# Altium PCB PCB2.PcbDoc (part 1 of 3)
Units mm, origin at the board's own origin, x right, y up, seen from the top; angles counter-clockwise.
Board outline 130.78 x 147.07 mm, 2 copper layers (Top Layer, Bottom Layer), stack 1.571 mm thick; 184 components, 114 nets, 619 pads, 1163 vias.
Unrouted connection lines stored in the file: 1.
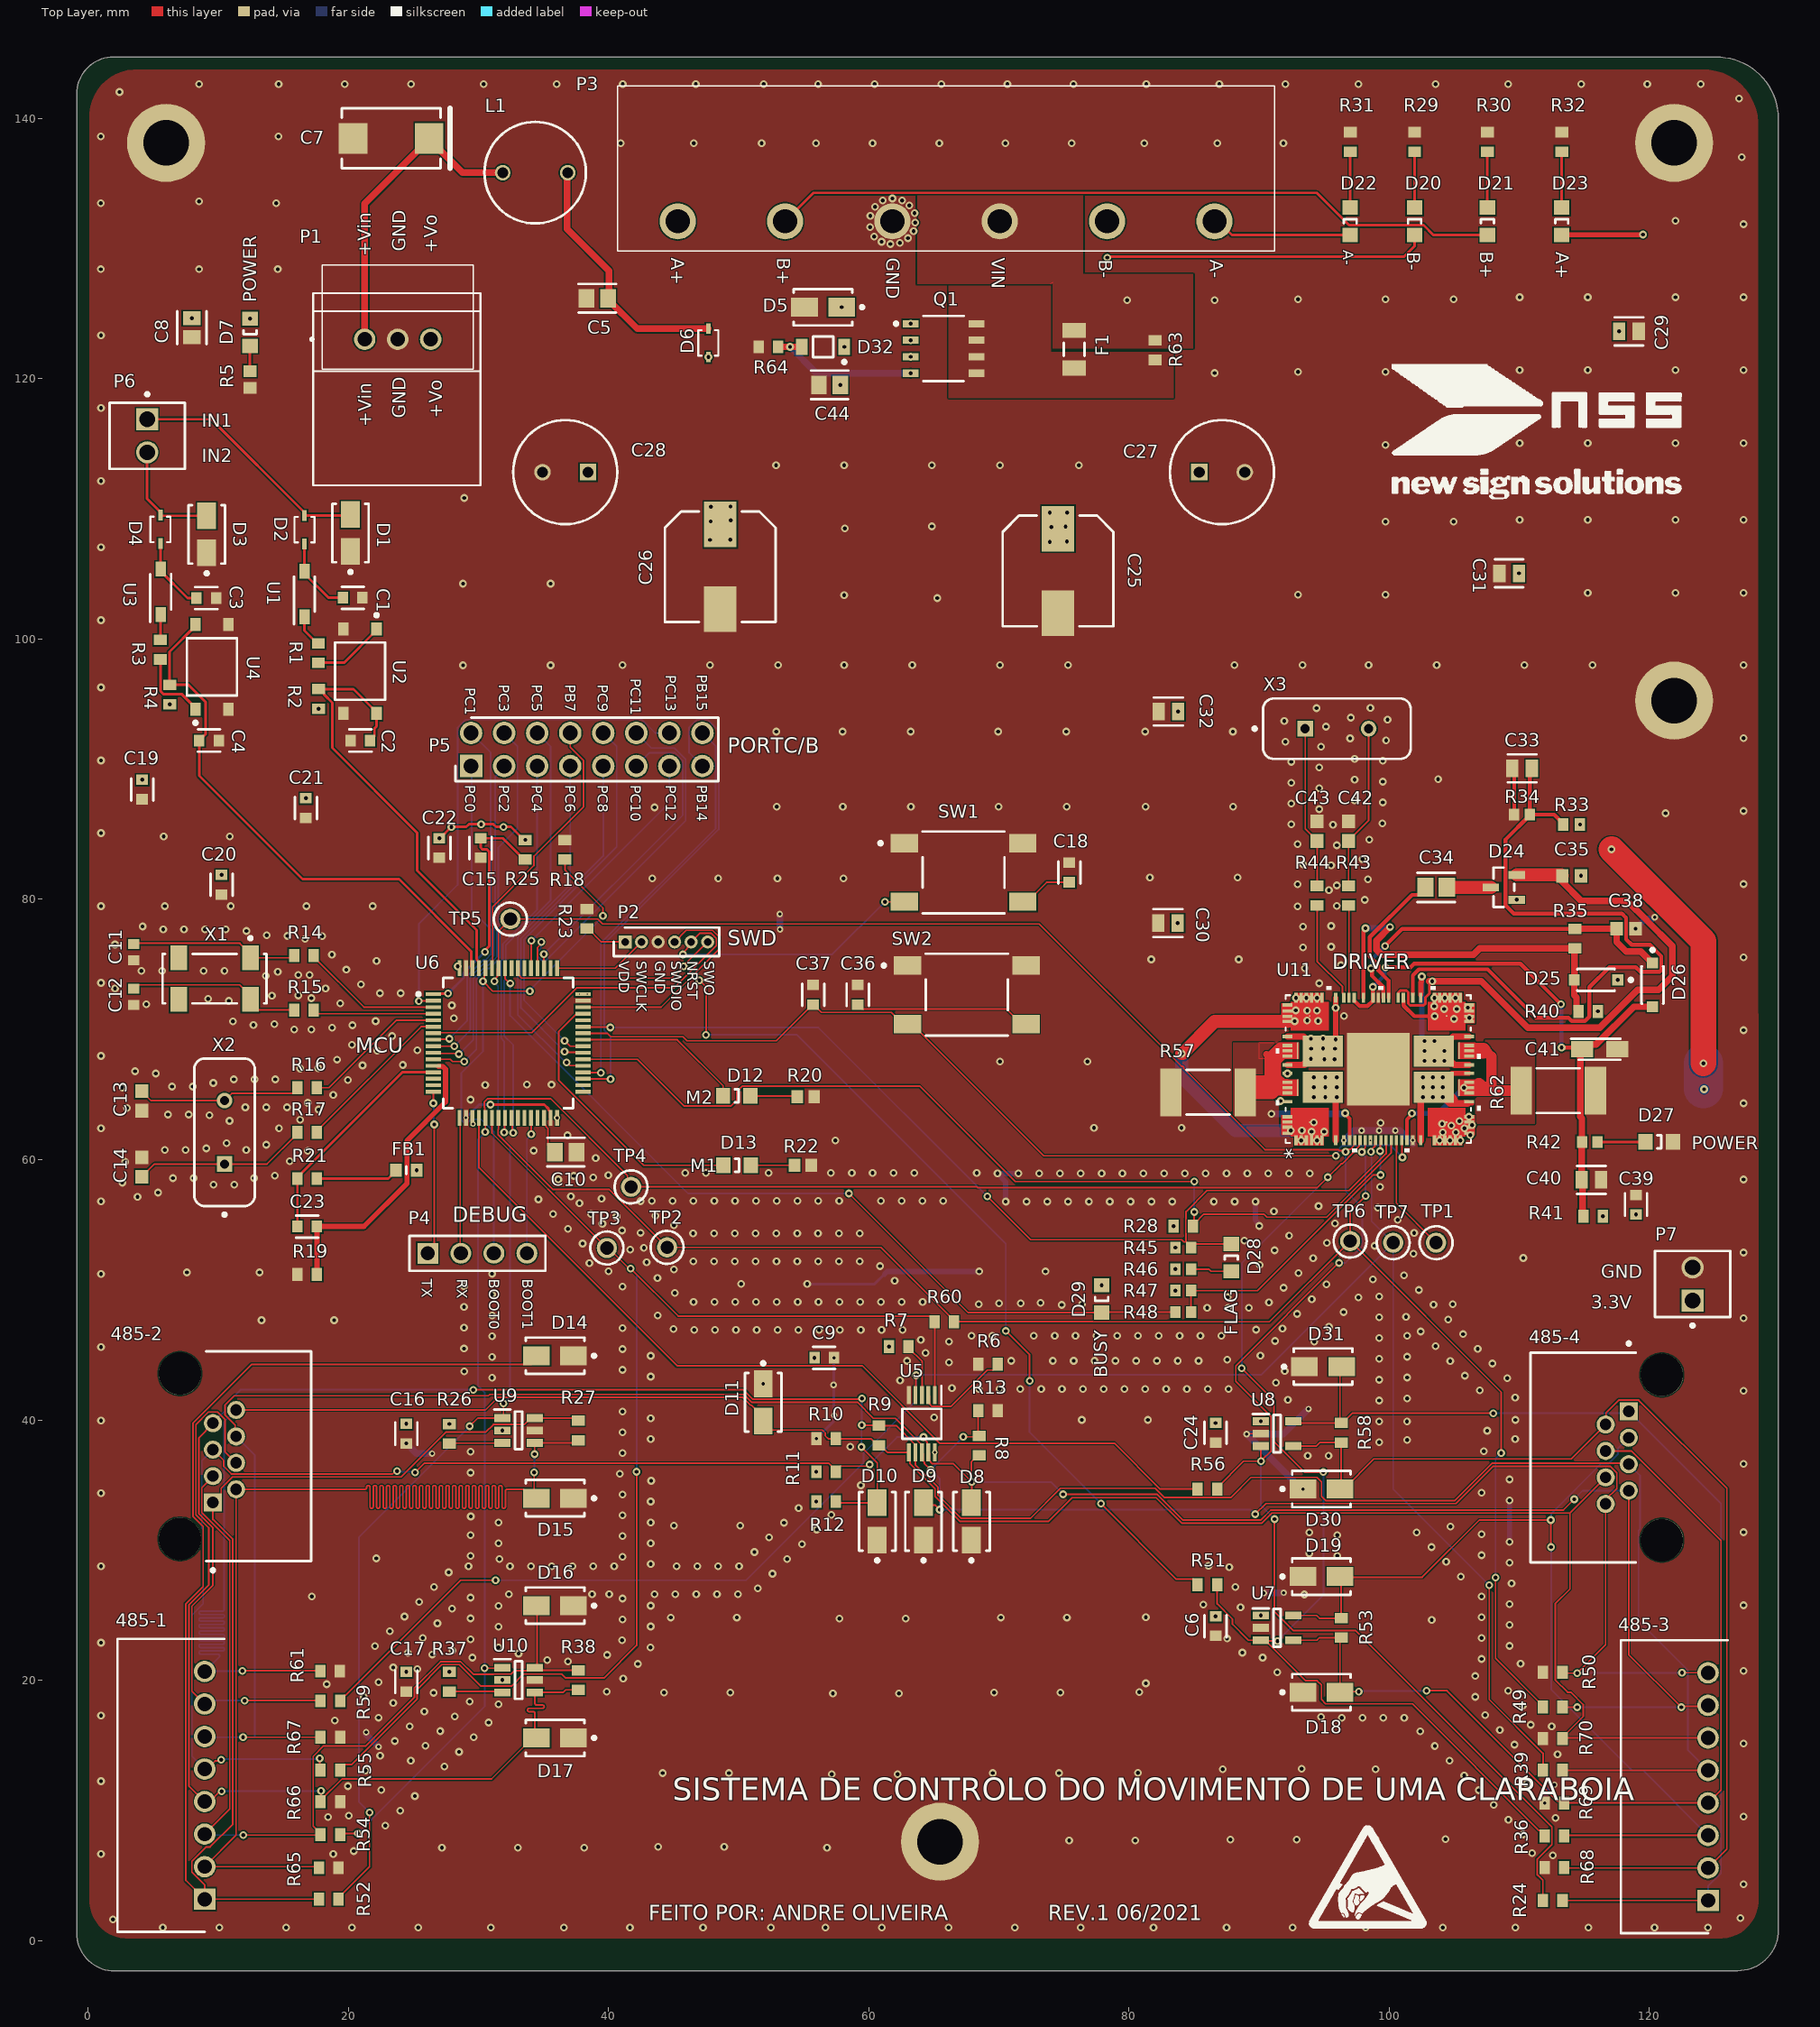
[diagram p0: Top Layer view]
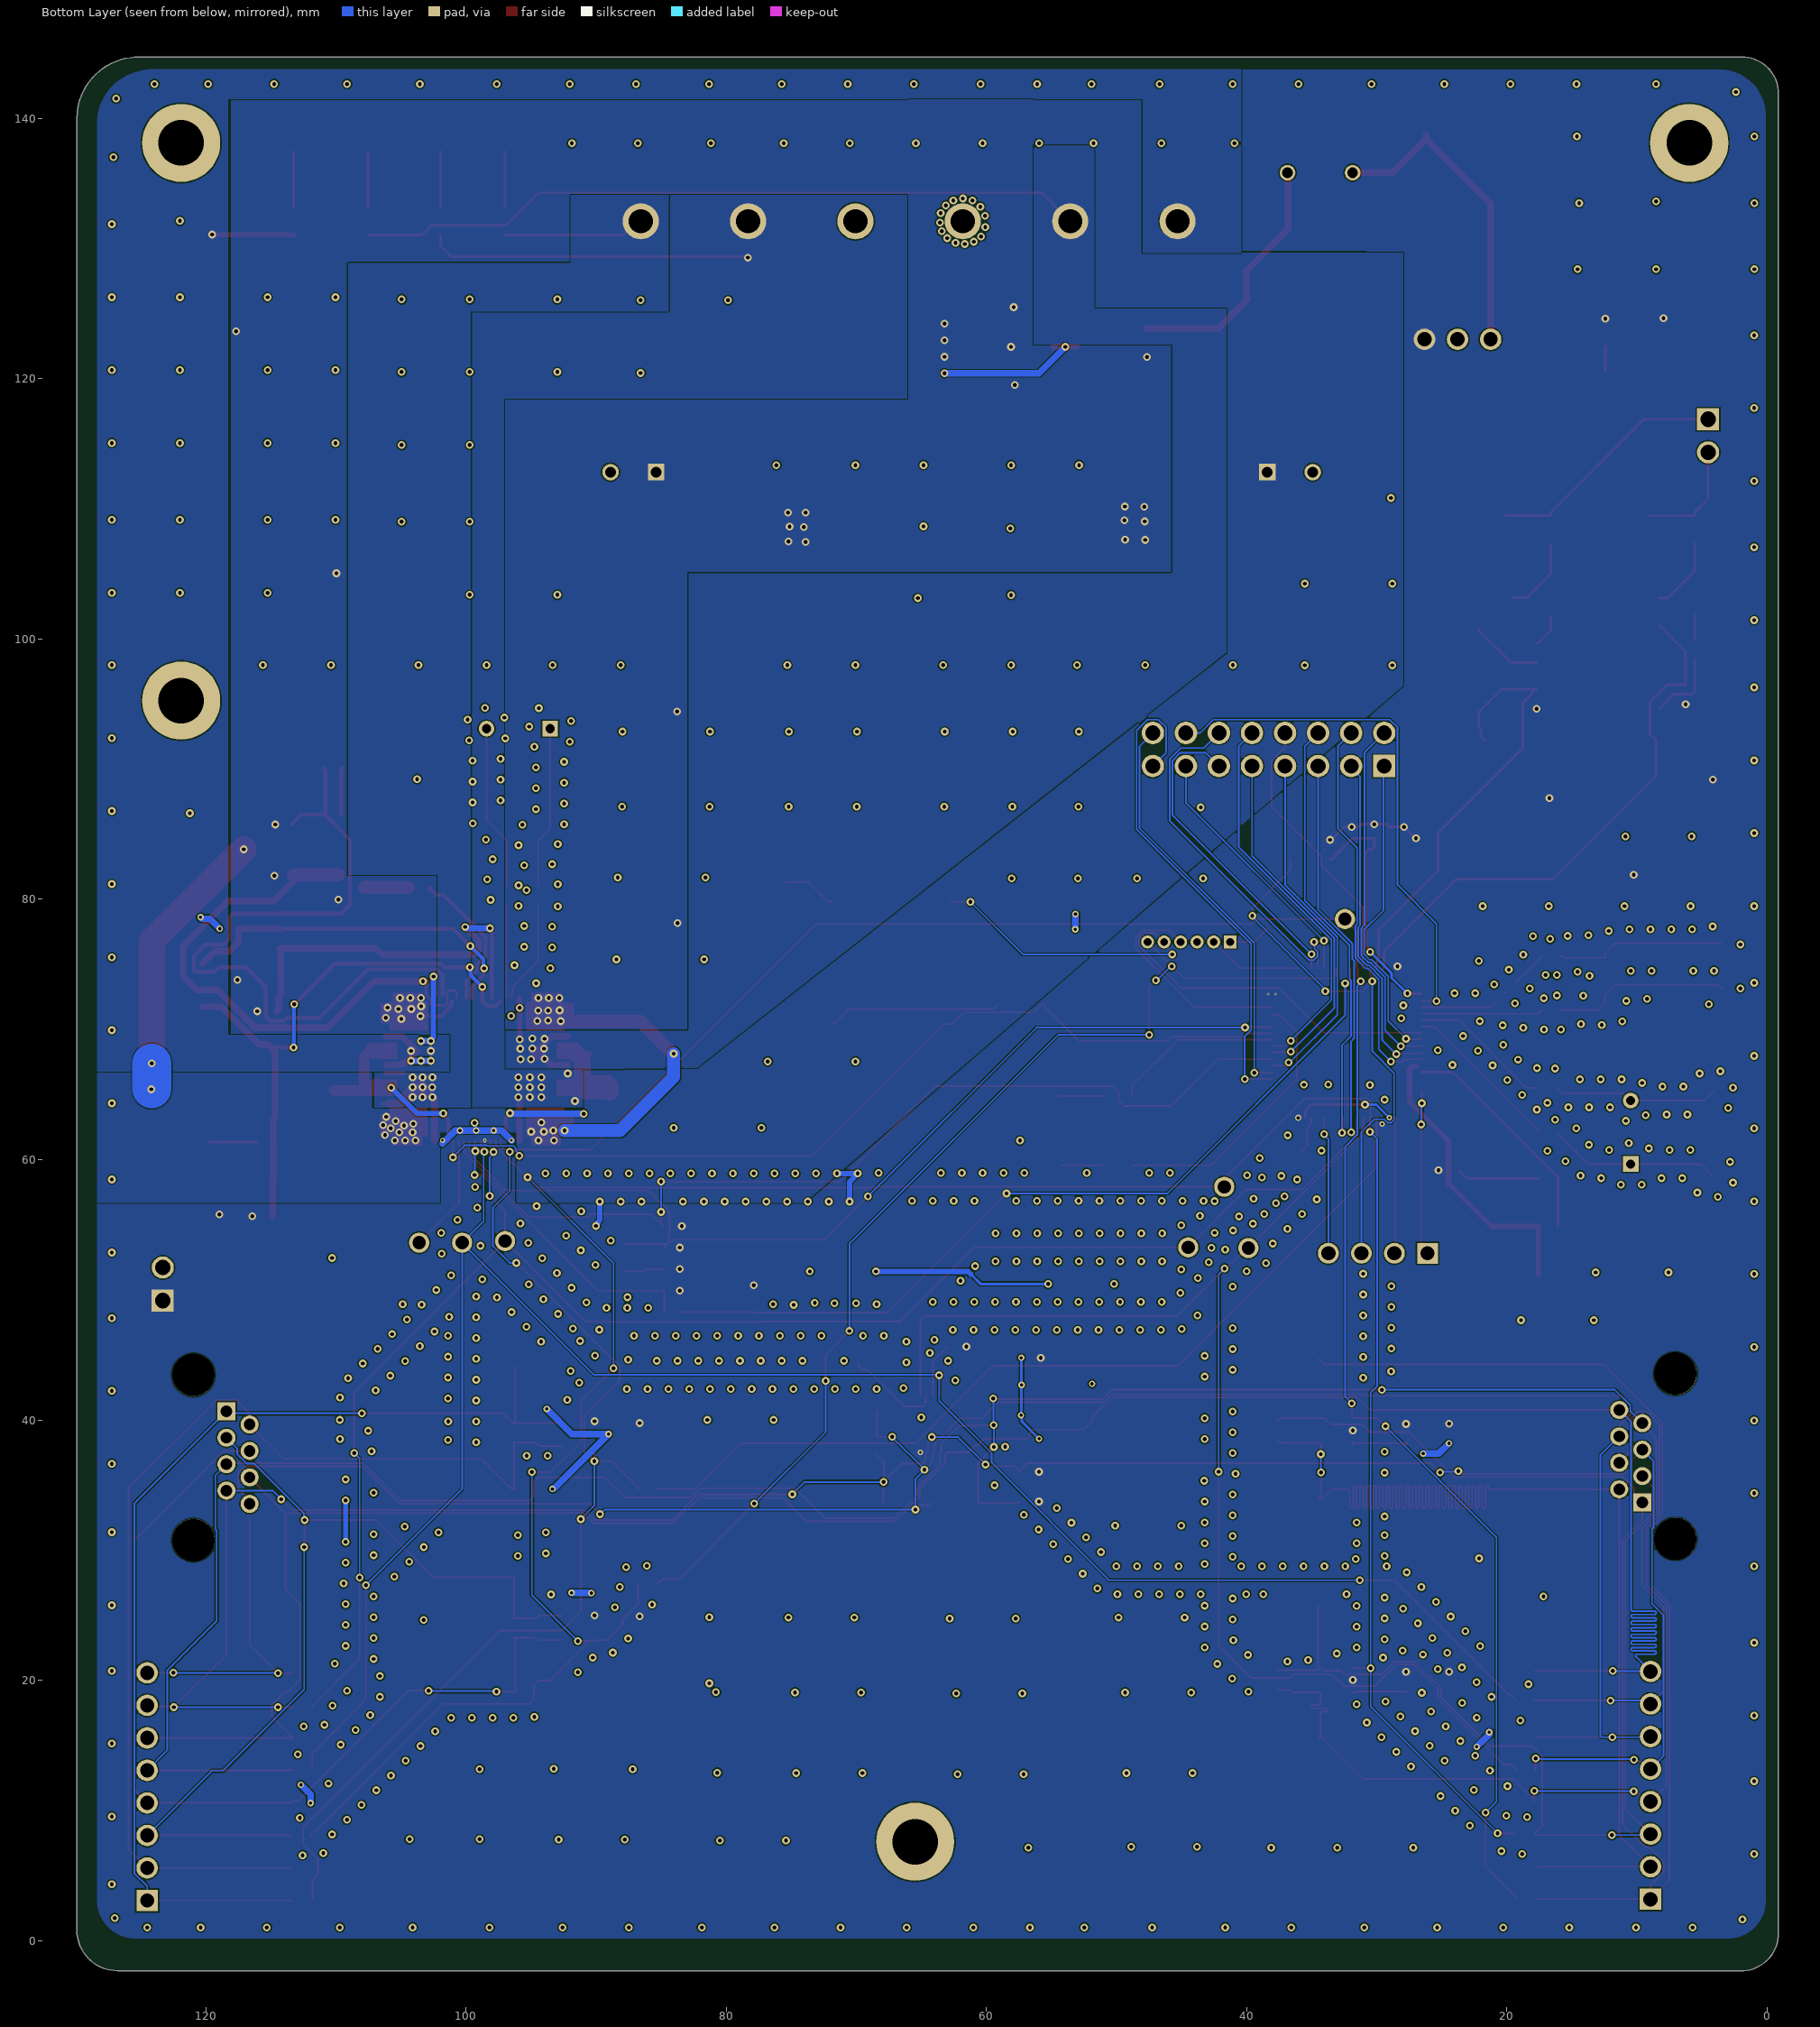
[diagram p1: Bottom Layer view, seen from below]

## Layer stack, top to bottom
Top Solder: solder mask 0.0102, Solder Resist, Dk 3.5
Top Layer: signal copper 0.0356
Dielectric 1: core 1.5, FR-4, Dk 4.8
Bottom Layer: signal copper 0.0356
Bottom Solder: solder mask 0.0102, Solder Resist, Dk 3.5

## Board outline
-0.864,0.552 -0.864,141.914 cw(c1.951,141.914) 1.951,144.729 125.109,144.718 cw(c125.178,139.986) 129.909,140.056 129.921,0.813 cw(c126.791,0.813) 126.791,-2.317 2.025,-2.337 cw(c2.025,0.552)

## Design rules (kind name [scope] priority, off if disabled: settings)
Clearance "Stitching GND" [IsStitchingVia and InNet('GND') vs (IsVia and (Not IsStitchingVia)) Or IsPad] p1: gap=0.2 ignorepadtopadclearanceinfootprint=FALSE
Clearance [All] p2: gap=0.1 ignorepadtopadclearanceinfootprint=FALSE
HoleSize [All] p1: absolutevalues=TRUE maxlimit=3.81 minlimit=0.025 maxpercent=80.000 minpercent=20.000
MinimumSolderMaskSliver [All] p1: minsoldermaskwidth=0
PolygonConnect [All] p1: connectstyle=Direct reliefconductorwidth=0.254 reliefentries=4 polygonreliefangle="45 Angle" airgapwidth=0.254
RoutingVias [All] p1: holewidth=0.6 width=1 viastyle="Through Hole" minholewidth=0.2 minwidth=0.45 maxholewidth=1 maxwidth=1.5
SilkToSilkClearance [All] p1: silktosilkclearance=0.01
SilkToSolderMaskClearance [IsText] p1: minsilkscreentomaskgap=0.254 clearancetoexposedcopper=TRUE
SolderMaskExpansion "SolderMaskExpansion Vias" [IsVia] p1: expansion=0.102 istentingtop=TRUE
SolderMaskExpansion [All] p2: expansion=0.102 istentingtop=FALSE
Width [All] p1: maxlimit=3.8 minlimit=0.127 preferedwidth=0.127
26 further rules are at their usual default settings.

## Classes and differential pairs
component class Source: C5 C7 C8 C44 D5 D6 D7 D32 F1 L1 P1 P7 Q1 R5 R63 R64 Title_Block_2
component class RS-485: 485-1 485-2 485-3 485-4 C6 C9 C16 C17 C24 D8 D9 D10 D11 D14 D15 D16 D17 D18 D19 D30 D31 R6 R7 R8 R9 R10 R11 R12 R13 R24 R26 R27 R36 R37 R38 R39 R49 R50 R51 R52 R53 R54 R55 R56 R58 R59 R60 R61 R65 R66 R67 R68 R69 R70 Title_Block_3 TP2 TP3 TP4 TP5 U5 U7 U8 U9 U10
component class powerSTEP01: C25 C26 C27 C28 C29 C30 C31 C32 C33 C34 C35 C36 C37 C38 C39 C40 C41 C42 C43 D20 D21 D22 D23 D24 D25 D26 D27 D28 D29 P3 R28 R29 R30 R31 R32 R33 R34 R35 R40 R41 R42 R43 R44 R45 R46 R47 R48 R57 R62 SW2 Title_Block_5 TP1 TP6 TP7 U11 X3
component class MCU_F401RE: C10 C11 C12 C13 C14 C15 C18 C19 C20 C21 C22 C23 D12 D13 FB1 P2 P4 P5 R14 R15 R16 R17 R18 R19 R20 R21 R22 R23 R25 SW1 Title_Block_4 U6 X1 X2
component class Inputs: C1 C2 C3 C4 D1 D2 D3 D4 P6 R1 R2 R3 R4 Title_Block_1 U1 U2 U3 U4

## Components (designator, comment, footprint, x,y, rotation, side; value= is the part's Value field where it differs from the comment)
485-1 "Header 1" SHDRRA8W64P0X250_1X8_2250X820X420P 8.966,3.175 r90 top
485-2 "RJ45" FP-RJHSE-5080-MFG 9.474,37.211 r270 top
485-3 "Header 3" SHDRRA8W64P0X250_1X8_2250X820X420P 124.511,3.073 r90 top
485-4 "RJ45" FP-RJHSE-5080-MFG 118.542,37.109 r90 top
C1 "100 nF" FP-CC0603-DA-MFG 20.345,103.175 r180 top
C2 "100 nF" FP-CC0603-DA-MFG 20.93,92.202 r0 top
C3 "100 nF" FP-CC0603-DA-MFG 9.093,103.149 r180 top
C4 "100 nF" FP-CC0603-DA-MFG 9.296,92.202 r180 top
C5 "4.7uF" FP-GRT21B-0_15-IPC_B 39.141,126.187 r180 top
C6 "100 nF" FP-CC0603-DA-MFG 86.665,24.155 r90 top
C7 "4.7uF" KEMT-T491-D_L 23.292,138.481 r180 top
C8 "10 uF" FP-GRM21B-0_2-e0_2_0_7-IPC_C 7.976,123.927 r270 top
C9 "100 nF" FP-CC0603-DA-MFG 56.579,44.78 r180 top
C10 "4.7uF" FP-GRT21B-0_15-IPC_B 36.716,60.579 r180 top
C11 "4.3pF" CAPC1608X90X35LL10T15 3.505,75.946 r270 top
C12 "4.3pF" CAPC1608X90X35LL10T15 3.505,72.517 r270 top
C13 "20 pF NA" CAPC1608X90X35NL15T15 4.14,64.516 r90 top
C14 "20 pF NA" CAPC1608X90X35NL15T15 4.14,59.436 r270 top
C15 "1 uF" FP-CC0603-DA-MFG 30.175,83.947 r270 top
C16 "100 nF" FP-CC0603-DA-MFG 24.46,38.95 r90 top
C17 "100 nF" FP-CC0603-DA-MFG 24.46,19.888 r90 top
C18 "100 nF" FP-CC0603-DA-MFG 75.413,82.067 r270 top
C19 "100 nF" FP-CC0603-DA-MFG 4.166,88.443 r270 top
C20 "100 nF" FP-CC0603-DA-MFG 10.262,81.128 r90 top
C21 "100 nF" FP-CC0603-DA-MFG 16.739,87.02 r90 top
C22 "100 nF" FP-CC0603-DA-MFG 27,83.947 r90 top
C23 "100 nF" FP-CC0603-DA-MFG 16.84,54.864 r0 top
C24 "100 nF" FP-CC0603-DA-MFG 86.665,39.014 r90 top
C25 "68 uF" NIC-CAPA2-8X10_V 74.549,105.232 r270 top
C26 "68 uF" NIC-CAPA2-8X10_V 48.59,105.562 r270 top
C27 "68 uF" CAPPRD350W65D800H1300 85.4,112.827 r0 top
C28 "68 uF" CAPPRD350W65D800H1300 38.43,112.827 r180 top
C29 "220 nF" FP-C0805C-DN-MFG 118.427,123.647 r0 top value="0.22 μF"
C30 "220 nF" FP-C0805C-DN-MFG 82.995,78.181 r180 top value="0.22 μF"
C31 "220 nF" FP-C0805C-DN-MFG 109.22,105.054 r180 top value="0.22 μF"
C32 "220 nF" FP-C0805C-DN-MFG 83.033,94.437 r180 top value="0.22 μF"
C33 "220 nF" FP-C0805C-DN-MFG 110.211,90.068 r0 top value="0.22 μF"
C34 "47 nF" FP-CL21-IPC_B 103.607,80.924 r0 top
C35 "470 nF" CAPC1608X90X35ML10T15 114.021,81.813 r180 top
C36 "100 nF" FP-CC0603-DA-MFG 59.157,72.669 r270 top
C37 "100 nF" FP-CC0603-DA-MFG 55.728,72.669 r270 top
C38 "470 nF" CAPC1608X90X35ML10T15 118.212,77.749 r180 top
C39 "100 nF" FP-CC0603-DA-MFG 118.974,56.54 r270 top
C40 "220 nF" FP-C0805C-DN-MFG 115.545,58.445 r180 top value="0.22 μF"
C41 "22 uF" CAPPM3216X180N 116.18,68.478 r0 top
C42 "20 pF NA" CAPC1608X90X35NL15T15 96.876,85.242 r270 top
C43 "20 pF NA" CAPC1608X90X35NL15T15 94.463,85.242 r270 top
C44 "4.7uF" FP-GRT21B-0_15-IPC_B 56.998,119.532 r180 top
D1 "SMAJ30CA-E3/61" VISH-DO-214AC-2_L 20.168,108.153 r90 top
D2 "BAT760Q-7" DIODE_SOD-323_1P7X1P3_DIO-L 16.637,108.407 r90 top
D3 "SMAJ30CA-E3/61" VISH-DO-214AC-2_L 9.119,108.052 r90 top
D4 "BAT760Q-7" DIODE_SOD-323_1P7X1P3_DIO-L 5.563,108.433 r90 top
D5 "SMAJ30CA-E3/61" VISH-DO-214AC-2_L 56.49,125.501 r180 top
D6 "BAT760Q-7" DIODE_SOD-323_1P7X1P3_DIO-L 47.676,122.758 r270 top
D7 "Green" 0805_A 12.446,123.571 r90 top
D8 "SMAJ30CA-E3/61" VISH-DO-214AC-2_L 67.894,32.207 r90 top
D9 "SMAJ30CA-E3/61" VISH-DO-214AC-2_L 64.211,32.207 r90 top
D10 "SMAJ30CA-E3/61" VISH-DO-214AC-2_L 60.655,32.207 r90 top
D11 "SMAJ30CA-E3/61" VISH-DO-214AC-2_L 51.892,41.351 r270 top
D12 "Yellow" 0805_A 49.86,64.897 r180 top
D13 "Yellow" 0805_A 49.886,59.563 r180 top
D14 "SMAJ30CA-E3/61" VISH-DO-214AC-2_L 35.89,44.933 r180 top
D15 "SMAJ30CA-E3/61" VISH-DO-214AC-2_L 35.89,33.985 r180 top
D16 "SMAJ30CA-E3/61" VISH-DO-214AC-2_L 35.89,25.73 r180 top
D17 "SMAJ30CA-E3/61" VISH-DO-214AC-2_L 35.89,15.57 r180 top
D18 "SMAJ30CA-E3/61" VISH-DO-214AC-2_L 94.793,19.075 r0 top
D19 "SMAJ30CA-E3/61" VISH-DO-214AC-2_L 94.793,27.965 r0 top
D20 "Yellow" 0805_A 101.956,132.105 r270 top
D21 "Yellow" 0805_A 107.544,132.105 r270 top
D22 "Yellow" 0805_A 97.003,132.105 r270 top
D23 "Yellow" 0805_A 113.259,132.105 r270 top
D24 "BAR43" FP-SOT23-3L-MFG 108.814,80.924 r180 top value=7pF
D25 "BAT46" FP-S8-V-3910_01-001-MFG 115.902,73.812 r180 top value=10pF
D26 "BAT46" FP-S8-V-3910_01-001-MFG 120.244,73.431 r270 top value=10pF
D27 "Green" 0805_A 120.752,61.366 r180 top
D28 "Red" 0805_A 87.859,52.476 r270 top
D29 "Red" 0805_A 77.902,49.301 r90 top
D30 "SMAJ30CA-E3/61" VISH-DO-214AC-2_L 94.793,34.696 r0 top
D31 "SMAJ30CA-E3/61" VISH-DO-214AC-2_L 94.92,44.094 r0 top
D32 "MMSZ5245BT1G" ONSC-SOD-123-2-425-04_V 56.49,122.453 r180 top
F1 "MFU1206FF03500P500" RESC3216X65N 75.794,122.273 r270 top
FB1 "BEAD" BEADC1608X95N 24.46,59.182 r180 top
L1 "4.7 mH" WE-TI-LM 34.366,135.839 r180 top
P1 "P78E03-1000" P78E031000 21.26,123.038 r0 top
P2 "SWD" HDRV6W30P0X127_1X6_762X210X430P 41.275,76.733 r0 top
P3 "OSTYK42106030" OSTYK42106030 86.574,132.105 r180 top
P4 "Header 2" 61300411121 29.921,52.807 r0 top
P5 "Header 4" HDRV16W67P254_2X8_1991X488X821P 29.439,90.246 r0 top
P6 "Header 5" MOLX-22-27-2021_V 4.547,115.621 r270 top
P7 "Header 6" MOLX-22-27-2021_V 123.317,50.444 r90 top
Q1 "SI4447ADY-T1-GE3" FP-C-06527-MFG 65.751,122.331 r0 top
R1 "0" RESC1608X55X25ML10T15 17.704,98.933 r270 top
R2 "NA" RESC1608X55X25ML10T15 17.729,95.402 r270 top
R3 "0" RESC1608X55X25ML10T15 5.563,99.187 r270 top
R4 "NA" RESC1608X55X25ML10T15 6.274,95.733 r270 top
R5 "47" RESC1608X55X30NL20T20 12.446,119.939 r90 top
R6 "10k" RESC1608X55X25ML10T15 69.164,44.272 r180 top
R7 "10k" RESC1608X55X25ML10T15 62.306,45.644 r0 top
R8 "100" RESC1608X55X25ML10T15 68.478,38.024 r270 top
R9 "100" RESC1608X55X25ML10T15 60.782,38.811 r90 top
R10 "10k" RESC1608X55X25ML10T15 56.718,38.557 r0 top
R11 "10k" RESC1608X55X25ML10T15 56.718,36.017 r180 top
R12 "10k" RESC1608X55X25ML10T15 56.718,33.731 r180 top
R13 "10k" RESC1608X55X25ML10T15 69.164,40.716 r180 top
R14 "0" RESC1608X55X25ML10T15 16.586,75.692 r180 top
R15 "0" RESC1608X55X25ML10T15 16.598,71.501 r180 top
R16 "NA" RESC1608X55X25ML10T15 16.84,65.532 r0 top
R17 "NA" RESC1608X55X25ML10T15 16.84,62.103 r0 top
R18 "10k" RESC1608X55X25ML10T15 36.652,83.82 r270 top
R19 "0" RESC1608X55X25ML10T15 16.84,51.181 r0 top
R20 "47" RESC1608X55X30NL20T20 55.158,64.846 r0 top
R21 "0" RESC1608X55X25ML10T15 16.84,58.547 r180 top
R22 "47" RESC1608X55X30NL20T20 54.94,59.563 r0 top
R23 "10k" RESC1608X55X25ML10T15 38.329,78.511 r270 top
R24 "NA" RESC1608X55X25ML10T15 112.573,3.073 r0 top
R25 "0" RESC1608X55X25ML10T15 33.604,83.82 r270 top
R26 "10k" RESC1608X55X25ML10T15 27.762,38.938 r270 top
R27 "100" RESC1608X55X25ML10T15 37.668,39.192 r90 top
R28 "10k" RESC1608X55X25ML10T15 84.176,54.889 r180 top
R29 "10k" RESC1608X55X25ML10T15 101.956,138.201 r90 top
R30 "10k" RESC1608X55X25ML10T15 107.544,138.201 r90 top
R31 "10k" RESC1608X55X25ML10T15 97.003,138.201 r90 top
R32 "10k" RESC1608X55X25ML10T15 113.259,138.201 r90 top
R33 "4.7k" RESC1609X50X30NL8T20 114.021,85.75 r0 top
R34 "330" RESC1608X55X30LL20T20 110.211,86.512 r0 top
R35 "NA" RESC1608X55X25ML10T15 114.275,76.987 r270 top
R36 "NA" RESC1608X55X25ML10T15 112.7,8.026 r0 top
R37 "10k" RESC1608X55X25ML10T15 27.762,19.888 r270 top
R38 "100" RESC1608X55X25ML10T15 37.668,20.015 r90 top
R39 "NA" RESC1608X55X25ML10T15 112.573,13.106 r0 top
R40 "0" RESC1608X55X25ML10T15 115.291,71.399 r0 top
R41 "0" RESC1608X55X25ML10T15 115.672,55.651 r0 top
R42 "330" RESC1608X55X30LL20T20 115.418,61.366 r180 top
R43 "NA" RESC1608X55X25ML10T15 96.876,80.289 r270 top
R44 "NA" RESC1608X55X25ML10T15 94.463,80.289 r270 top
R45 "39k" RESC1608X55X30LL20T20 84.176,53.238 r0 top
R46 "330" RESC1608X55X30LL20T20 84.176,51.587 r0 top
R47 "39k" RESC1608X55X30LL20T20 84.176,49.936 r0 top
R48 "330" RESC1608X55X30LL20T20 84.176,48.285 r0 top
R49 "NA" RESC1608X55X25ML10T15 112.573,17.932 r0 top
R50 "NA" RESC1608X55X25ML10T15 112.573,20.599 r0 top
R51 "NA" RESC1608X55X25ML10T15 86.03,27.33 r180 top
R52 "NA" RESC1608X55X25ML10T15 18.491,3.175 r180 top
R53 "100" RESC1608X55X25ML10T15 96.317,24.016 r270 top